# KiCad board OroLink.kicad_pcb (continued)
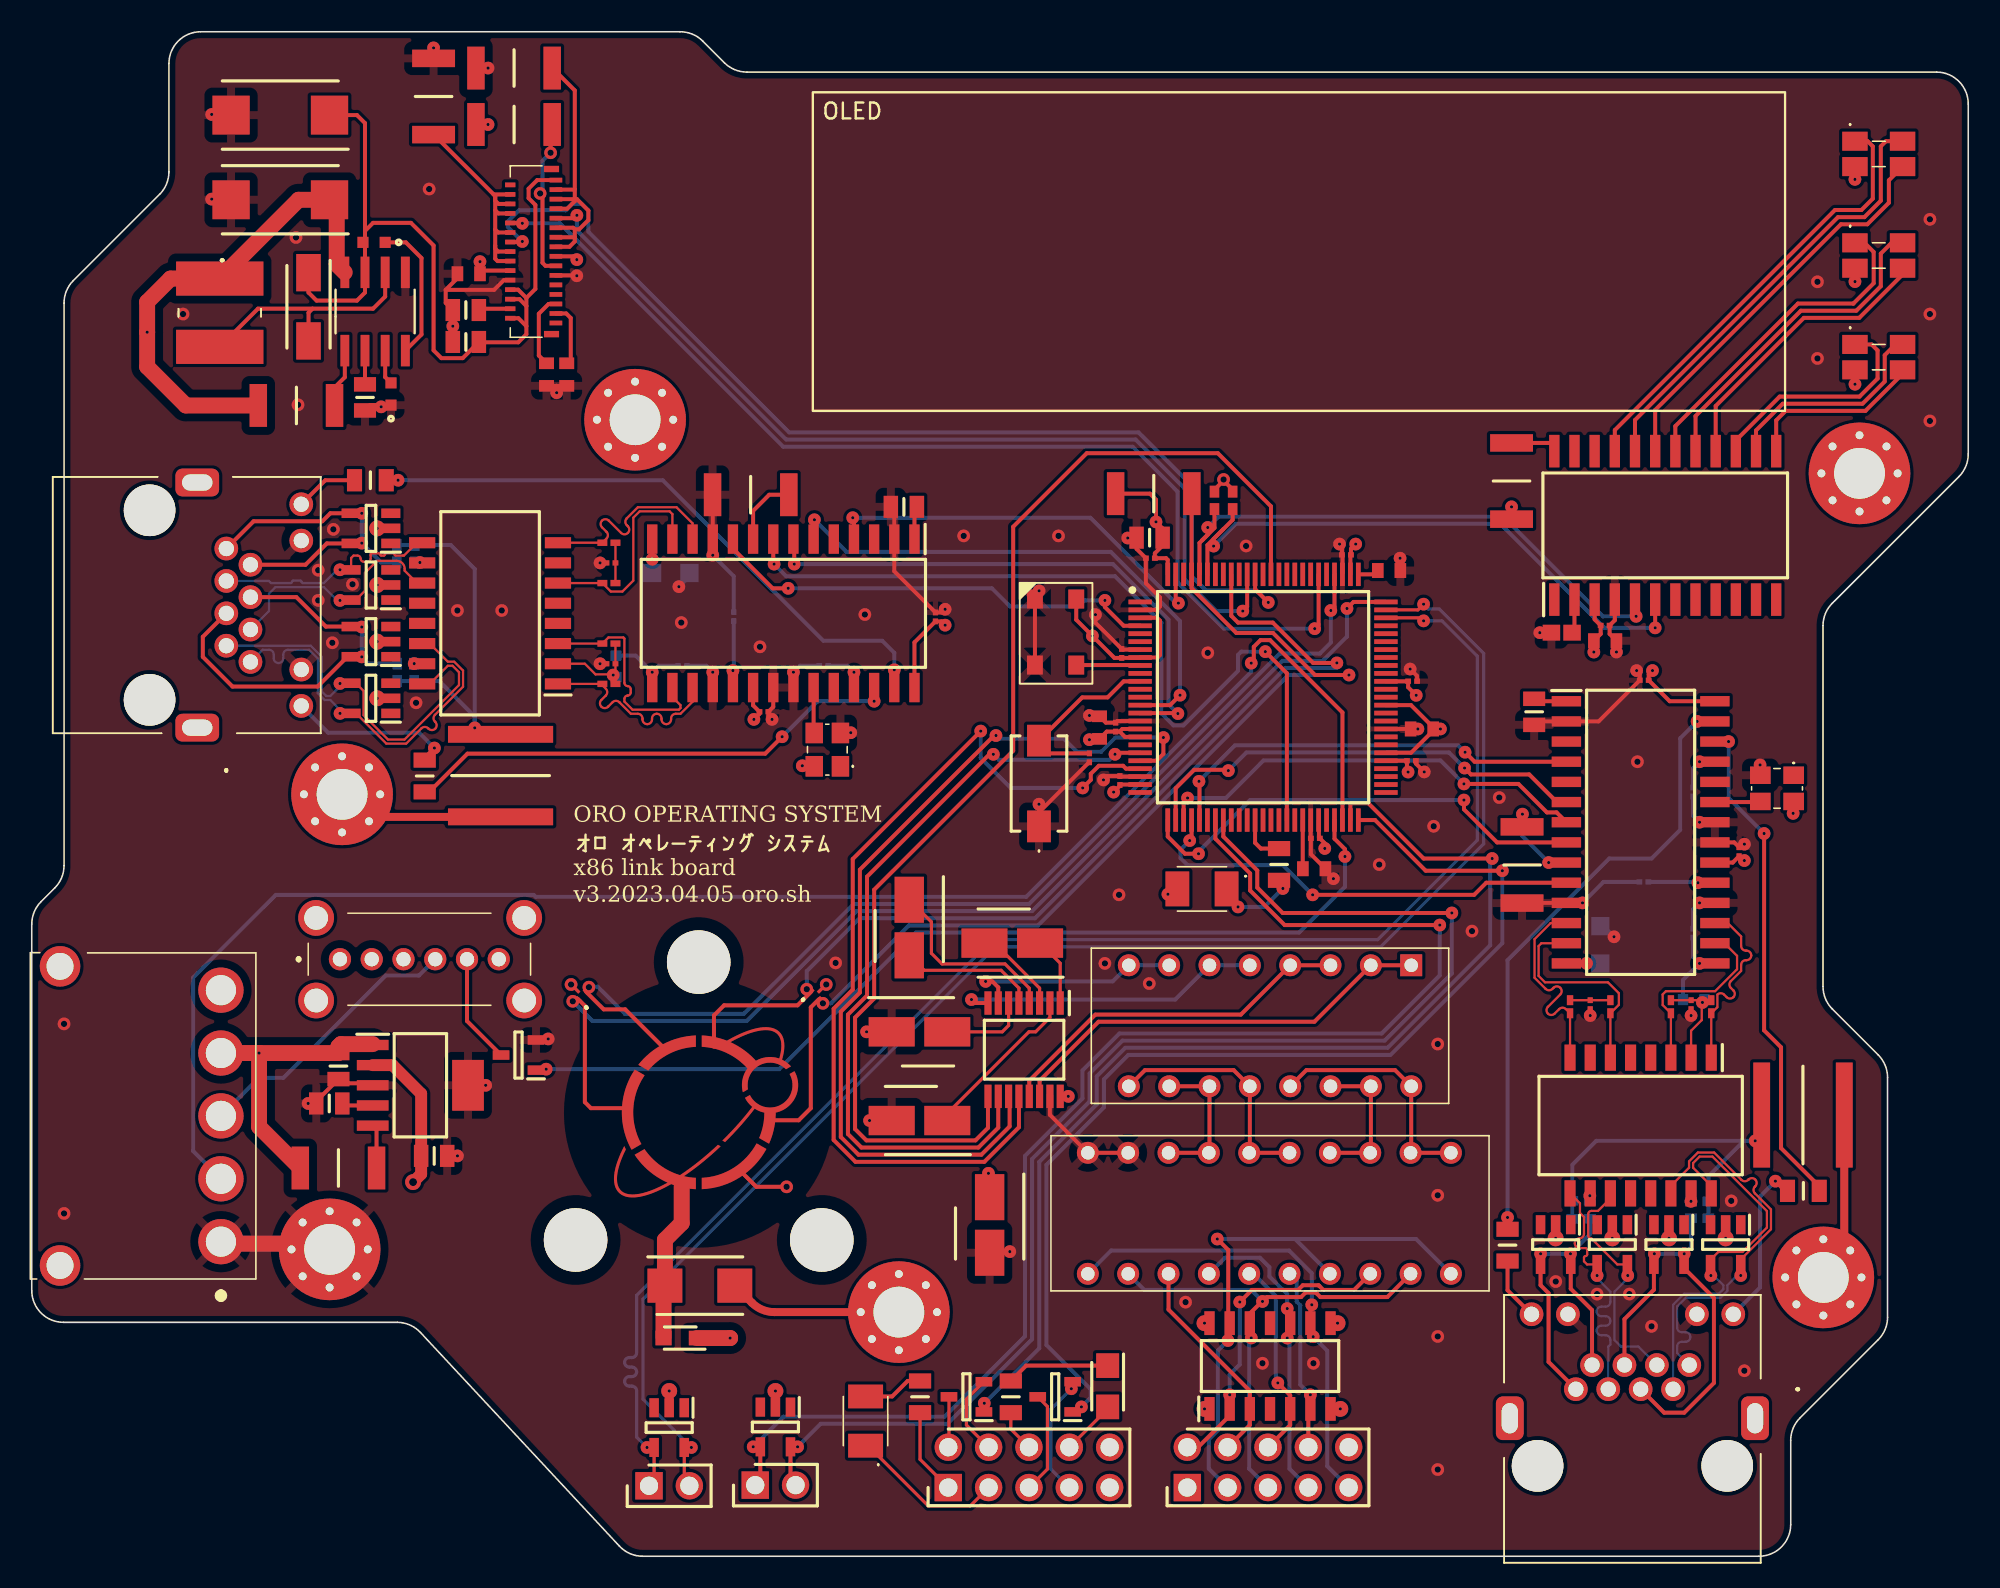
[diagram p0: board, top side]
## Library data of the parts (continued)
J3 = -: Description: AMP - TE CONNECTIVITY - 3-2328724-1 - CONNECTOR, FPC, R/A, 31POS, 1ROW, 0.3MM; Arrow Price/Stock: https://www.arrow.com/en/products/3-2328724-1/te-connectivity?region=nac; Height: 1.1; Manufacturer_Name: TE Connectivity; Mouser Part Number: 571-3-2328724-1; Mouser Price/Stock: https://www.mouser.co.uk/ProductDetail/TE-Connectivity/3-2328724-1?qs=w%2Fv1CP2dgqp0EQ60RbjzYQ%3D%3D
J4 J5 = -: Description: STEWART CONNECTOR - SS-60300-103 - 10G SINGLE PORT HORIZONTAL JACK, WITH BI-COLOR (G/Y, G/Y) LEDS 42AH9237; Arrow Price/Stock: https://www.arrow.com/en/products/ss-60300-103/bel-group?region=nac; Height: 12.65; Manufacturer_Name: BelFuse; Mouser Part Number: 530-SS-60300-103; Mouser Price/Stock: https://www.mouser.co.uk/ProductDetail/Stewart-Connector-Bel/SS-60300-103?qs=wnTfsH77Xs4F0oaICJGh5g%3D%3D; Note: TO EXT
J6 = -: Description: Oro Logo Connector 6 position; Sim.Enable: 0
J7 J8 = -: Description: EconoStik 2.54mm, Board to Board Connector, Unshrouded Verticl Header, Through Hole, Single Row, 2 Positions, 2.54 mm (0.100in) Pitch.; Height: 10.82; Manufacturer_Name: Amphenol Communication Solutions; Mouser Part Number: 649-1012937890203BLF; Mouser Price/Stock: https://www.mouser.co.uk/ProductDetail/Amphenol-FCI/10129378-902003BLF?qs=0lQeLiL1qyZU%252BgRaQ8FKPg%3D%3D
J9 = -: Description: BergStik, Board to Board connector, Unshrouded vertical header, Through Hole, Double Row, 10 Positions, 2.54 mm (0.100in) Pitch; Arrow Price/Stock: https://www.arrow.com/en/products/67996-110hlf/amphenol-fci?region=nac; Height: 8.58; Manufacturer_Name: Amphenol Communications Solutions; Mouser Part Number: 649-67996-110HLF; Mouser Price/Stock: https://www.mouser.co.uk/ProductDetail/Amphenol-FCI/67996-110HLF?qs=zh4O8xspOuxgf2RA9jR3ZQ%3D%3D; Note: 2x5 TO COM BUS
LED1 = -: Description: LED Uni-Color Violet 2-Pin SMD T/R; Arrow Price/Stock: https://www.arrow.com/en/products/aa3528vrvfsa/kingbright?region=nac; Height: 2.1; Manufacturer_Name: Kingbright; Mouser Part Number: 604-AA3528VRVFS/A; Mouser Price/Stock: https://www.mouser.co.uk/ProductDetail/Kingbright/AA3528VRVFS-A?qs=rY7msk5yxfb63mh907EyRA%3D%3D; Note: DEBUG LED
LED2 = -: Description: LED Uni-Color Violet 2-Pin SMD T/R; Arrow Price/Stock: https://www.arrow.com/en/products/aa3528vrvfsa/kingbright?region=nac; Height: 2.1; Manufacturer_Name: Kingbright; Mouser Part Number: 604-AA3528VRVFS/A; Mouser Price/Stock: https://www.mouser.co.uk/ProductDetail/Kingbright/AA3528VRVFS-A?qs=rY7msk5yxfb63mh907EyRA%3D%3D; Note: SYS PW ON FROM BUS
LED3 = -: Description: Cree CLM3C-WKW-CXAYA453, CLM3 Series White LED, 5500K, PLCC 2, Rectangle Lens SMD Package; Arrow Price/Stock: https://www.arrow.com/en/products/clm3c-wkw-cxaya453/cree; Height: 1.4; Manufacturer_Name: Wolfspeed; Mouser Part Number: 941-CLM3CWKWCXAYA453; Mouser Price/Stock: https://www.mouser.co.uk/ProductDetail/Cree-Inc/CLM3C-WKW-CXaYa453?qs=3AcK5DacLbr3ewaPKwAgNg%3D%3D; Note: SYS HDD ACT FROM BUS
LED4 = -: Description: Standard LEDs - SMD WL-SFCW SMT Full-color Chip LED waterclear 1206 RGB; Height: 0.85; Manufacturer_Name: Wurth Elektronik; Mouser Part Number: 710-150120M173000; Mouser Price/Stock: https://www.mouser.co.uk/ProductDetail/Wurth-Elektronik/150120M173000?qs=GedFDFLaBXG2uqjQCP7dEg%3D%3D; Note: STATUS
LED5 = -: Description: Standard LEDs - SMD WL-SFCW SMT Full-color Chip LED waterclear 1206 RGB; Height: 0.85; Manufacturer_Name: Wurth Elektronik; Mouser Part Number: 710-150120M173000; Mouser Price/Stock: https://www.mouser.co.uk/ProductDetail/Wurth-Elektronik/150120M173000?qs=GedFDFLaBXG2uqjQCP7dEg%3D%3D; Note: LINK
LED6 = -: Description: Standard LEDs - SMD WL-SFCW SMT Full-color Chip LED waterclear 1206 RGB; Height: 0.85; Manufacturer_Name: Wurth Elektronik; Mouser Part Number: 710-150120M173000; Mouser Price/Stock: https://www.mouser.co.uk/ProductDetail/Wurth-Elektronik/150120M173000?qs=GedFDFLaBXG2uqjQCP7dEg%3D%3D; Note: ACT
Q1-Q3 = -: Description: 12V, N ch NexFET MOSFET, single LGA0.6x0.7, 76mOhm; Arrow Price/Stock: https://www.arrow.com/en/products/pmv20enr/nexperia?region=nac; Height: 1.1; Manufacturer_Name: Nexperia; Mouser Part Number: 771-PMV20ENR; Mouser Price/Stock: https://www.mouser.co.uk/ProductDetail/Nexperia/PMV20ENR?qs=sV%252BQJnSpgu%2FSnnW%252BQ4V7GA%3D%3D
R1 R2 = -: Description: YAGEO - RC2512FK-074K7L - SMD Chip Resistor, 2512 [6432 Metric], 4.7 kohm, RC Series, 200 V, Thick Film, 1 W; Arrow Part Number: RC2512FK-074K7L; Arrow Price/Stock: https://www.arrow.com/en/products/rc2512fk-074k7l/yageo?region=nac; Height: 0.4; Manufacturer_Name: MULTICOMP; Manufacturer_Part_Number: MCWR04X4701FTL; Mouser Part Number: 603-RC2512FK-074K7L; Mouser Price/Stock: https://www.mouser.co.uk/ProductDetail/YAGEO/RC2512FK-074K7L?qs=WeK9NnMzqvc8ESUIkdEI3A%3D%3D
R3 R5 R8-R12 R24 R37 = -: Description: Res Thick Film 2010 10K Ohm 5% 0.75W(3/4W) +/-100ppm/C Pad SMD T/R; Arrow Part Number: RC2010JK-0710KL; Arrow Price/Stock: https://www.arrow.com/en/products/rc2010jk-0710kl/yageo; Height: 0.65; Manufacturer_Name: KEMET; Manufacturer_Part_Number: RC2010JK-0710KL; Mouser Part Number: 603-RC2010JK-0710KL; Mouser Price/Stock: https://www.mouser.co.uk/ProductDetail/YAGEO/RC2010JK-0710KL?qs=sNpmnPgvziOLj5uuquGIow%3D%3D
R4 R6 R7 = -: Description: Thick Film Resistors - SMD 0.25W 1Kohm 5% 200ppm Anti-Pulse; Height: 0.6; Manufacturer_Name: KOA Speer; Manufacturer_Part_Number: SG73P2ATTD102J; Mouser Part Number: 660-SG73P2ATTD102J; Mouser Price/Stock: https://www.mouser.com/Search/Refine.aspx?Keyword=660-SG73P2ATTD102J
R13 R25 = -: Description: Thick Film Resistors - SMD 0805 2.32Kohms 0.5W 1% AEC-Q200; Height: 0.7; Manufacturer_Name: Panasonic; Manufacturer_Part_Number: ERJ-P06F2321V; Mouser Part Number: 667-ERJ-P06F2321V; Mouser Price/Stock: https://www.mouser.com/Search/Refine.aspx?Keyword=667-ERJ-P06F2321V
R14-R17 R26-R29 = -: Description: RES, 0201, 49.9 ohm, 1%, 0.05W; Arrow Price/Stock: https://www.arrow.com/en/products/rc1210fr-0749r9l/yageo; Height: 0.26; Manufacturer_Name: Stackpole Electronics, Inc.; Manufacturer_Part_Number: RMCF0201FT49R9; Mouser Part Number: 603-RC1210FR-0749R9L; Mouser Price/Stock: https://www.mouser.co.uk/ProductDetail/YAGEO/RC1210FR-0749R9L?qs=H6bTqIa4pvVoqBKMaWCr4A%3D%3D
R18-R21 R30-R33 = -: Description: Thick Film Resistors - SMD 1/16watts 75ohms 1%; Height: 0.4; Manufacturer_Name: KOA Speer; Manufacturer_Part_Number: RK73H1ETTP75R0F; Mouser Part Number: 660-RK73H1ETTP75R0F; Mouser Price/Stock: https://www.mouser.co.uk/ProductDetail/KOA-Speer/RK73H1ETTP75R0F?qs=wUWquvs7oCIcRElcVFlmog%3D%3D
R22 R23 R34 R35 = -: Description: 470 Ohms +/-1% 0.125W, 1/8W Chip Resistor 0805 (2012 Metric) Automotive AEC-Q200, Moisture Resistant Thick Film; Height: 0.6; Manufacturer_Name: YAGEO; Manufacturer_Part_Number: AC0805FR-07470RL
R36 = -: Description: Thick Film Resistors - SMD 3.3K OHM 5%; Height: 0.55; Manufacturer_Name: KEMET; Manufacturer_Part_Number: RC0603JR-133K3L; Mouser Part Number: 603-RC0603JR-133K3L; Mouser Price/Stock: https://www.mouser.co.uk/ProductDetail/Yageo/RC0603JR-133K3L?qs=fRxXYNj8ftGLt5CkiYcPWw%3D%3D
S1 = -: Description: Tactile Switch SPST-NO Top Actuated Surface Mount; Height: 4.3; Manufacturer_Name: E-Switch; Mouser Part Number: 612-TL6400AF160QJ; Mouser Price/Stock: https://www.mouser.co.uk/ProductDetail/E-Switch/TL6400AF160QJ?qs=t7xnP681wgXh9NC1jPxNOA%3D%3D; Note: RESET
S2 = -: Description: Slide Switches SLIDE SWITCH INSTRUMNTATN; Arrow Price/Stock: https://www.arrow.com/en/products/mss225004/te-connectivity?region=nac; Height: 21.1; Manufacturer_Name: TE Connectivity; Mouser Part Number: 506-MSS225004; Mouser Price/Stock: https://www.mouser.co.uk/ProductDetail/TE-Connectivity-Alcoswitch/MSS225004?qs=M5Ic86%252BuP8YpwAcDgjVTdA%3D%3D
S3 = -: Description: 4 Way Through Hole DIP Switch Single Pole Double Throw (SPDT), Standard Actuator; Height: 8.49; Manufacturer_Name: CTS; Mouser Part Number: 774-206124; Mouser Price/Stock: https://www.mouser.co.uk/ProductDetail/CTS-Electronic-Components/206-124?qs=YquLqel%252BdSwQ37OnMfpodQ%3D%3D
S4 = -: Description: DIP Switches / SIP Switches 5 switch sections SPDT; Arrow Price/Stock: https://www.arrow.com/en/products/206-125/cts; Height: 8.87; Manufacturer_Name: CTS; Mouser Part Number: 774-206125; Mouser Price/Stock: https://www.mouser.co.uk/ProductDetail/CTS-Electronic-Components/206-125?qs=Mr%252BgrRYddfptY1Bh6kboww%3D%3D
T1 T2 = -: Description: Telecom Transformer 1CT:1CT 0.6Ohm Prim. DCR 1.1Ohm -1.15dB Surface Mount - Tape and Reel PT61017XPEL LAN 10/100 Base-Tx; Arrow Price/Stock: https://www.arrow.com/en/products/pt61017xpel/bourns?region=nac; Height: 5.7; Manufacturer_Name: Bourns; Mouser Part Number: 652-PT61017XPEL; Mouser Price/Stock: https://www.mouser.co.uk/ProductDetail/Bourns/PT61017XPEL?qs=y02iAgv9n61CWKPJbJQxRQ%3D%3D
X1 = -: Description: Standard Clock Oscillators 26MHz 3.3Volt .28ppm -40C +85C; Manufacturer_Name: TXC Corporation; Mouser Part Number: 717-7P-26.000MBP-T; Mouser Price/Stock: https://www.mouser.de/ProductDetail/TXC-Corporation/7P-26.000MBP-T
Y1 Y2 = -: Description: ASE-25.000MHZ-LC-T Crystal Oscillator, 25 MHz, +/-50ppm CMOS 15pF, 4-Pin SMD, 3.2 x 2.5 x 1.2mm; Arrow Part Number: ASE-25.000MHZ-LC-T; Arrow Price/Stock: https://www.arrow.com/en/products/ase-25.000mhz-lc-t/abracon; Height: 1; Manufacturer_Name: ABRACON; Manufacturer_Part_Number: ASE-25.000MHZ-LC-T; Mouser Part Number: 815-ASE25.000MHZLCT; Mouser Price/Stock: https://www.mouser.co.uk/ProductDetail/ABRACON/ASE-25.000MHZ-LC-T?qs=ShQ8XZQtgRuW6p4KtHOZPQ%3D%3D

## Footprints (pads in the part's own frame, mm; a bottom-side part is the same pattern mirrored in y, then rotated)
7P-26.000MBP-T
  rrect 1.2x1 smd: 1(1.016,-3.616)
  rect 1.2x1 smd: 3(5.176,-3.616) 4(5.176,-1.016) 6(1.016,-1.016)
150120M173000
  rect 1.6x1.2 smd: 1(-1.5,0.8) 2(-1.5,-0.8) 3(1.5,-0.8) 4(1.5,0.8)
206124
  rect 1.381x1.381 hole 0.85: 1(0,0)
  round 1.381 hole 0.85: 2(2.54,0) 3(5.08,0) 4(7.62,0) 5(10.16,0) 6(12.7,0) 7(15.24,0) 8(17.78,0) 9(17.78,7.62) 10(15.24,7.62) 11(12.7,7.62) 12(10.16,7.62) 13(7.62,7.62) 14(5.08,7.62) 15(2.54,7.62) 16(0,7.62)
206125
  round 1.381 hole 0.85: A1(0,0) A2(0,-7.62) A3(2.54,-7.62) A4(2.54,0) B1(5.08,0) B2(5.08,-7.62) B3(7.62,-7.62) B4(7.62,0) C1(10.16,0) C2(10.16,-7.62) C3(12.7,-7.62) C4(12.7,0) D1(15.24,0) D2(15.24,-7.62) D3(17.78,-7.62) D4(17.78,0) E1(20.32,0) E2(20.32,-7.62) E3(22.86,-7.62) E4(22.86,0)
323287241
  rect 0.3x0.8 smd: 1(-4.5,-1.4) 3(-3.9,-1.4) 5(-3.3,-1.4) 7(-2.7,-1.4) 9(-2.1,-1.4) 11(-1.5,-1.4) 13(-0.9,-1.4) 15(-0.3,-1.4) 17(0.3,-1.4) 19(0.9,-1.4) 21(1.5,-1.4) 23(2.1,-1.4) 25(2.7,-1.4) 27(3.3,-1.4) 29(3.9,-1.4) 31(4.5,-1.4)
  rect 0.3x0.65 smd: 2(-4.2,1.475) 4(-3.6,1.475) 6(-3,1.475) 8(-2.4,1.475) 10(-1.8,1.475) 12(-1.2,1.475) 14(-0.6,1.475) 16(0,1.475) 18(0.6,1.475) 20(1.2,1.475) 22(1.8,1.475) 24(2.4,1.475) 26(3,1.475) 28(3.6,1.475) 30(4.2,1.475)
  rect 0.4x0.95 smd: MP1(-5.2,-1.125) MP2(5.2,-1.125)
AA3528VRVFSA
  rect 1.5x2.2 smd: 1(-1.55,0) 2(1.55,0)
ASE24576MHZLCT
  rect 1.3x1.1 smd: 1(-1.05,-0.825) 2(1.05,-0.825) 3(1.05,0.825) 4(-1.05,0.825)
BLM18EG121SH1D
  rect 0.65x0.7 smd: 1(-0.675,0) 2(0.675,0)
C1608_Commercial_Tight
  rect 0.7x0.7 smd: 1(0.6,-0.75) 2(2,-0.75)
CAPAE430X610N
  rect 2.9x1.85 smd: 1(-1.75,0) 2(1.75,0)
CAPC0402X22N
  rect 0.365x0.33 smd: 1(-0.282,0) 2(0.282,0)
CAPC1608X90N
  rect 0.73x0.94 smd: 1(-0.71,0) 2(0.71,0)
CAPC2012X75N
  rect 0.91x1.39 smd: 1(-0.82,0) 2(0.82,0)
CAPC2012X135N
  rect 0.91x1.39 smd: 1(-0.82,0) 2(0.82,0)
CAPC5664X270N
  rect 1.06x6.62 smd: 1(-2.6,0) 2(2.6,0)
CAPPM7343X310N
  rect 2.35x2.45 smd: 1(-3.1,0) 2(3.1,0)
CD54NP180MC
  rect 5.5x2.15 smd: 1(0,-2.15) 2(0,2.15)
CLM3CWKWCXAYA453
  rect 1.55x1.45 smd: 1(-1.3,0) 2(1.3,0)
DF635P396DS
  round 2.85 hole 1.9: 1(0,0) 2(3.96,0) 3(7.92,0) 4(11.88,0) 5(15.84,0)
  round 2.55 hole 1.7: MH1(-1.5,10.13) MH2(17.34,10.13)
DIOM5227X250N
  rect 2.35x1.55 smd: 1(-2.15,0) 2(2.15,0)
DIOM5436X244N
  rect 2.2x2.15 smd: 1(-2.2,0) 2(2.2,0)
ERJP06__0805_
  rect 1.15x1.15 smd: 1(-1.175,0) 2(1.175,0)
HDRV2W67P0X254_1X2_508X241X1082P
  rect 1.725x1.725 hole 1.15: 1(0,0)
  round 1.725 hole 1.15: 2(2.54,0)
HDRV10W67P254_2X5_1270X483X858P
  rect 1.725x1.725 hole 1.15: 1(0,0)
  round 1.725 hole 1.15: 2(0,2.54) 3(2.54,0) 4(2.54,2.54) 5(5.08,0) 6(5.08,2.54) 7(7.62,0) 8(7.62,2.54) 9(10.16,0) 10(10.16,2.54)
MountingHole_3.2mm_M3_Pad_Via
  round 0.8 hole 0.5: 1(-2.4,0) 1(-1.697,1.697) 1(-1.697,-1.697) 1(0,2.4) 1(0,-2.4) 1(1.697,1.697) 1(1.697,-1.697) 1(2.4,0)
  round 6.4 hole 3.2: 1(0,0)
MSS225004
  round 1.4 hole 0.9: 1(0,0) 2(2,0) 3(4,0) 4(6,0) 5(8,0) 6(10,0)
  round 2.25 hole 1.5: MH1(-1.5,2.6) MH2(11.6,2.6) MH3(-1.5,-2.6) MH4(11.6,-2.6)
OroConn6p_WithMounts
  round 4 hole 4 unplated: (-7.75,-8) (0,9.5) (7.75,-8)
  custom 0.5x1.31 smd: 1(-1.107,-4.298) 4(1.015,4.408)
  custom 1.31x1.31 smd: 2(2.5,-3.6) 5(-2.1,4)
  custom 1.31x0.5 smd: 3(4.4,-0.5) 6(-4.5,0.3)
QFP50P1600X1600X160-100N
  rect 1.475x0.3 smd: 1(-7.738,6) 2(-7.738,5.5) 3(-7.738,5) 4(-7.738,4.5) 5(-7.738,4) 6(-7.738,3.5) 7(-7.738,3) 8(-7.738,2.5) 9(-7.738,2) 10(-7.738,1.5) 11(-7.738,1) 12(-7.738,0.5) 13(-7.738,0) 14(-7.738,-0.5) 15(-7.738,-1) 16(-7.738,-1.5) 17(-7.738,-2) 18(-7.738,-2.5) 19(-7.738,-3) 20(-7.738,-3.5) 21(-7.738,-4) 22(-7.738,-4.5) 23(-7.738,-5) 24(-7.738,-5.5) 25(-7.738,-6) 51(7.738,-6) 52(7.738,-5.5) 53(7.738,-5) 54(7.738,-4.5) 55(7.738,-4) 56(7.738,-3.5) 57(7.738,-3) 58(7.738,-2.5) 59(7.738,-2) 60(7.738,-1.5) 61(7.738,-1) 62(7.738,-0.5) 63(7.738,0) 64(7.738,0.5) 65(7.738,1) 66(7.738,1.5) 67(7.738,2) 68(7.738,2.5) 69(7.738,3) 70(7.738,3.5) 71(7.738,4) 72(7.738,4.5) 73(7.738,5) 74(7.738,5.5) 75(7.738,6)
  rect 0.3x1.475 smd: 26(-6,-7.738) 27(-5.5,-7.738) 28(-5,-7.738) 29(-4.5,-7.738) 30(-4,-7.738) 31(-3.5,-7.738) 32(-3,-7.738) 33(-2.5,-7.738) 34(-2,-7.738) 35(-1.5,-7.738) 36(-1,-7.738) 37(-0.5,-7.738) 38(0,-7.738) 39(0.5,-7.738) 40(1,-7.738) 41(1.5,-7.738) 42(2,-7.738) 43(2.5,-7.738) 44(3,-7.738) 45(3.5,-7.738) 46(4,-7.738) 47(4.5,-7.738) 48(5,-7.738) 49(5.5,-7.738) 50(6,-7.738) 76(6,7.738) 77(5.5,7.738) 78(5,7.738) 79(4.5,7.738) 80(4,7.738) 81(3.5,7.738) 82(3,7.738) 83(2.5,7.738) 84(2,7.738) 85(1.5,7.738) 86(1,7.738) 87(0.5,7.738) 88(0,7.738) 89(-0.5,7.738) 90(-1,7.738) 91(-1.5,7.738) 92(-2,7.738) 93(-2.5,7.738) 94(-3,7.738) 95(-3.5,7.738) 96(-4,7.738) 97(-4.5,7.738) 98(-5,7.738) 99(-5.5,7.738) 100(-6,7.738)
RCLAMP3552TTNT
  rect 0.2x0.4 smd: 1(-0.34,-0.225) 2(0.34,-0.225) 3(0,0.225)
RESC0603X26N
  rect 0.625x0.4 smd: 1(-0.412,0) 2(0.412,0)
RESC1005X40N
  rect 0.75x0.6 smd: 1(-0.55,0) 2(0.55,0)
RESC1608X55N
  rect 1.1x1 smd: 1(-0.65,0) 2(0.65,0)
RESC2012X60N
  rect 0.95x1.4 smd: 1(-1,0) 2(1,0)
RESC5025X65N
  rect 1.1x2.7 smd: 1(-2.4,0) 2(2.4,0)
SODFL2514X80N
  rect 1.02x0.92 smd: 1(-1.05,0) 2(1.05,0)
SOIC127P600X175-8N
  rect 1.981x0.559 smd: 1(-2.464,1.905) 2(-2.464,0.635) 3(-2.464,-0.635) 4(-2.464,-1.905) 5(2.464,-1.905) 6(2.464,-0.635) 7(2.464,0.635) 8(2.464,1.905)
SOIC127P600X175-14N
  rect 1.5x0.65 smd: 1(-2.7,3.81) 2(-2.7,2.54) 3(-2.7,1.27) 4(-2.7,0) 5(-2.7,-1.27) 6(-2.7,-2.54) 7(-2.7,-3.81) 8(2.7,-3.81) 9(2.7,-2.54) 10(2.7,-1.27) 11(2.7,0) 12(2.7,1.27) 13(2.7,2.54) 14(2.7,3.81)
SOIC127P930X570-16N
  rect 1.65x0.7 smd: 1(-4.275,4.445) 2(-4.275,3.175) 3(-4.275,1.905) 4(-4.275,0.635) 5(-4.275,-0.635) 6(-4.275,-1.905) 7(-4.275,-3.175) 8(-4.275,-4.445) 9(4.275,-4.445) 10(4.275,-3.175) 11(4.275,-1.905) 12(4.275,-0.635) 13(4.275,0.635) 14(4.275,1.905) 15(4.275,3.175) 16(4.275,4.445)
SOIC127P1030X265-28N
  rect 1.85x0.65 smd: 1(-4.675,8.255) 2(-4.675,6.985) 3(-4.675,5.715) 4(-4.675,4.445) 5(-4.675,3.175) 6(-4.675,1.905) 7(-4.675,0.635) 8(-4.675,-0.635) 9(-4.675,-1.905) 10(-4.675,-3.175) 11(-4.675,-4.445) 12(-4.675,-5.715) 13(-4.675,-6.985) 14(-4.675,-8.255) 15(4.675,-8.255) 16(4.675,-6.985) 17(4.675,-5.715) 18(4.675,-4.445) 19(4.675,-3.175) 20(4.675,-1.905) 21(4.675,-0.635) 22(4.675,0.635) 23(4.675,1.905) 24(4.675,3.175) 25(4.675,4.445) 26(4.675,5.715) 27(4.675,6.985) 28(4.675,8.255)
SOIC127P1036X265-24N
  rect 2.05x0.65 smd: 1(-4.675,6.985) 2(-4.675,5.715) 3(-4.675,4.445) 4(-4.675,3.175) 5(-4.675,1.905) 6(-4.675,0.635) 7(-4.675,-0.635) 8(-4.675,-1.905) 9(-4.675,-3.175) 10(-4.675,-4.445) 11(-4.675,-5.715) 12(-4.675,-6.985) 13(4.675,-6.985) 14(4.675,-5.715) 15(4.675,-4.445) 16(4.675,-3.175) 17(4.675,-1.905) 18(4.675,-0.635) 19(4.675,0.635) 20(4.675,1.905) 21(4.675,3.175) 22(4.675,4.445) 23(4.675,5.715) 24(4.675,6.985)
SOP65P640X120-16N
  rect 1.475x0.45 smd: 1(-2.938,2.275) 2(-2.938,1.625) 3(-2.938,0.975) 4(-2.938,0.325) 5(-2.938,-0.325) 6(-2.938,-0.975) 7(-2.938,-1.625) 8(-2.938,-2.275) 9(2.938,-2.275) 10(2.938,-1.625) 11(2.938,-0.975) 12(2.938,-0.325) 13(2.938,0.325) 14(2.938,0.975) 15(2.938,1.625) 16(2.938,2.275)
SOT95P230X110-3N
  rect 1.05x0.6 smd: 1(-1.1,0.95) 2(-1.1,-0.95) 3(1.1,0)
SOT95P280X145-5N
  rect 1.2x0.6 smd: 1(-1.25,0.95) 2(-1.25,0) 3(-1.25,-0.95) 4(1.25,-0.95) 5(1.25,0.95)
SOT127P706X180-6N
  rect 2x0.65 smd: 1(-3,2.54) 2(-3,1.27) 3(-3,0) 4(-3,-1.27) 5(-3,-2.54)
  rect 2x3.2 smd: 6(3,0)
SS60300103
  round 3.25 hole 3.25 unplated: (-8.53,-4.83) (3.41,-4.83)
  round 1.493 hole 0.96: 1(0,0) 2(1.02,1.52) 3(-1.02,1.52) 4(-3.06,1.52) 5(-2.04,0) 6(-4.08,0) 7(-6.12,0) 8(-5.1,1.52) 9(-8.91,4.72) 10(-6.62,4.72) 11(1.5,4.72) 12(3.79,4.72)
  rrect 1.75x2.75 hole 1.02x1.91: MH1(-10.28,-1.83) MH2(5.16,-1.83)
TL6400AF160QJ
  rect 2x1.5 smd: 1(-2.7,0) 2(2.7,0)

## Nets
+3V3: C2.1 C5.2 C6.2 C7.2 C8.2 C9.2 C10.2 C11.2 C12.1 C13.2 C14.2 C17.2 C21.2 C32.1 C33.1 C34.1 C35.1 C36.1 C41.1 C42.1 C43.1 C44.1 C45.1 C49.1 C51.1 C52.2 FB2.1 FB3.1 IC1.3 IC1.8 IC1.17 IC1.18 IC1.24 IC1.45 IC1.55 IC1.56 IC1.62 IC1.65 IC1.77 IC1.100 IC2.2 IC4.15 IC4.19 IC4.20 IC4.25 IC4.28 IC5.15 IC5.19 IC5.20 IC5.25 IC5.28 IC6.16 IC7.3 J3.12 J3.15 LED1.2 LED4.2 LED5.2 LED6.2 R1.1 R2.1 R3.1 R9.2 R37.1 X1.6 Y1.4 Y2.4
+5V: C15.1 C26.1 D10.1 FB1.1 IC2.1 IC3.8 J1.4 R5.1 R11.2 S2.1
/OLED Socket/+12V: C20.1 C25.2 C27.1 D1.1 IC3.7 J3.2 J3.6 J3.8 J3.31
/Power Supply/5VSB: J1.5 S2.2
/SWD Pad/VCC: D10.2 D12.1 J6.1
GND: C1.2 C2.2 C3.2 C4.2 C5.1 C6.1 C7.1 C8.1 C9.1 C10.1 C11.1 C12.2 C13.1 C14.1 C15.2 C16.1 C17.1 C18.1 C19.1 C20.2 C21.1 C22.1 C23.1 C24.1 C26.2 C27.2 C28.1 C29.2 C30.2 C32.2 C33.2 C34.2 C35.2 C36.2 C37.1 C38.2 C39.2 C41.2 C42.2 C43.2 C44.2 C45.2 C48.2 C49.2 C50.1 C51.2 C52.1 H6.1 IC1.2 IC1.7 IC1.16 IC1.23 IC1.44 IC1.59 IC1.78 IC2.3 IC2.6 IC3.5 IC4.2 IC4.11 IC4.18 IC4.21 IC4.22 IC5.2 IC5.11 IC5.18 IC5.21 IC5.22 IC6.15 IC7.4 J1.1 J3.10 J3.11 J4.10 J4.11 J5.10 J5.11 J6.2 Q1.2 R8.1 R10.1 R12.1 R13.2 R24.1 R25.2 R36.1 S1.1 S4.E2 S4.E3 X1.1 X1.3 Y1.2 Y2.2
GNDPWR: C31.1 C40.1 D2.2 D3.2 D4.2 D5.2 D6.2 D7.2 D8.2 D9.2 D11.3 D12.2 D13.3 D14.2 D15.2 D16.1 D16.7 D16.8 D16.14 H1.1 H2.1 H3.1 H4.1 H5.1 J1.MH1 J1.MH2 J4.MH1 J4.MH2 J5.MH1 J5.MH2 S2.MH1 S2.MH2 S2.MH3 S2.MH4
/COM Bus Header/C1+: C46.1 IC6.1
/COM Bus Header/C1-: C46.2 IC6.3
/COM Bus Header/C2+: C47.1 IC6.4
/COM Bus Header/C2-: C47.2 IC6.5
/COM Bus Header/D_CTS: S3.9 S3.12 S4.C2 S4.C3
/COM Bus Header/D_RTS: S3.10 S3.11 S4.D2 S4.D3
/COM Bus Header/D_RX: S3.14 S3.15 S4.B2 S4.B3
/COM Bus Header/D_TX: S3.13 S3.16 S4.A2 S4.A3
/COM Bus Header/P2: D16.2 J9.2 S4.B1
/COM Bus Header/P3: D16.13 J9.3 S4.A1 S4.B4
/COM Bus Header/P4: D16.3 J9.4 S4.D4
/COM Bus Header/P5: D16.12 J9.5 S4.A4 S4.E1
/COM Bus Header/P6: D16.5 J9.6 S4.C4
/COM Bus Header/P7: D16.10 J9.7 S4.D1
/COM Bus Header/P8: D16.6 J9.8 S4.C1
/COM Bus Header/P9: D16.9 J9.9 S4.E4
/COM Bus Header/UART_CTS: IC1.87 IC6.9
/COM Bus Header/UART_RTS: IC1.20 IC6.10
/COM Bus Header/UART_RX: IC1.22 IC6.12
/COM Bus Header/UART_TX: IC1.21 IC6.11
/COM Bus Header/V+: C48.1 IC6.2
/COM Bus Header/V-: C50.2 IC6.6
/External Ethernet/CT_45: D8.4 D8.5 J5.4 J5.5 R32.1
/External Ethernet/CT_78: D9.4 D9.5 J5.7 J5.8 R33.1
/External Ethernet/GLED+: IC5.27 R34.2
/External Ethernet/RX+: D7.5 J5.3 T2.11
/External Ethernet/RX-: D7.4 J5.6 T2.9
/External Ethernet/SCK: IC1.41 IC5.8
/External Ethernet/SDI: IC1.15 IC5.7
/External Ethernet/SDO: IC1.14 IC5.6
/External Ethernet/TPIN+: IC5.13 R28.1 T2.6
/External Ethernet/TPIN-: IC5.12 R29.1 T2.8
/External Ethernet/TPOUT+: IC5.17 R26.1 T2.1
/External Ethernet/TPOUT-: IC5.16 R27.1 T2.3
/External Ethernet/TX+: D6.4 J5.1 T2.16
/External Ethernet/TX-: D6.5 J5.2 T2.14
/External Ethernet/YLED+: IC5.26 R35.2
/External Ethernet/~{INT}: IC1.99 IC5.4
/External Ethernet/~{RST}: IC1.4 IC5.10
/Front Panel Client/HDD+: J2.6 R7.1
/Front Panel Client/HDD-: J2.8 LED3.2
/Front Panel Client/PLED+: J2.1 R6.2
/Front Panel Client/PLED-: J2.3 LED2.1
/Front Panel Client/PWR+: J2.5 Q2.3
/Front Panel Client/PWR-: J2.7 Q2.2
/Front Panel Client/PWR_ON: IC1.50 Q2.1
/Front Panel Client/RESET: IC1.49 Q3.1
/Front Panel Client/RST+: J2.2 Q3.3
/Front Panel Client/RST-: J2.4 Q3.2
/Indicator Lights/O1: IC7.7
/Indicator Lights/O2: IC7.8
/Indicator Lights/O3: IC7.9
/Indicator Lights/O4: IC7.10
/Indicator Lights/O5: IC7.11
/Indicator Lights/O6: IC7.12
/Indicator Lights/O7: IC7.13 LED6.3
/Indicator Lights/O8: IC7.14 LED6.4
/Indicator Lights/O9: IC7.15 LED6.1
/Indicator Lights/O10: IC7.16 LED5.3
/Indicator Lights/O11: IC7.17 LED5.4
/Indicator Lights/O12: IC7.18 LED5.1
/Indicator Lights/O13: IC7.19 LED4.3
/Indicator Lights/O14: IC7.20 LED4.4
/Indicator Lights/O15: IC7.21 LED4.1
/Indicator Lights/O16: IC7.22
/Indicator Lights/O17: IC7.23
/Indicator Lights/O18: IC7.1
/Indicator Lights/SCL: IC1.95 IC7.6 R1.2
/Indicator Lights/SDA: IC1.96 IC7.5 R2.2
/Microcontroller/DBGUART_RX: D14.4 IC1.32 J7.1
/Microcontroller/DBGUART_TX: D14.5 IC1.33 J7.2
/Microcontroller/SYSETH_MISO: IC1.27 IC4.6
/Microcontroller/SYSETH_SCK: IC1.26 IC4.8
/Microcontroller/SYSTEH_MOSI: IC1.28 IC4.7
/Microcontroller/SYSTEH_~{INT}: IC1.30 IC4.4
/Microcontroller/SYSTEH_~{RST}: IC1.29 IC4.10
/Microcontroller/USB_D+: D15.5 IC1.74 J8.2
/Microcontroller/USB_D-: D15.4 IC1.73 J8.1
/Microcontroller/VCAP1: C3.1 IC1.43
/Microcontroller/VCAP2: C4.1 IC1.76
/OLED Socket/EXTCAP: C18.2 J3.3
/OLED Socket/EXTCAP2: C22.2 J3.4
/OLED Socket/EXTCAP3: C19.2 J3.5
/OLED Socket/SCK: IC1.81 J3.22
/OLED Socket/SDI: IC1.90 J3.23
/OLED Socket/~{RST}: IC1.89 J3.18
/Power Supply/PSU_ON: J1.3 S2.4
/Power Supply/PW_OK: IC1.48 J1.2
/Power Supply/PW_ON: IC1.47 Q1.1
/SWD Pad/FLASH: D13.2 IC1.97 J6.3 R3.2
/SWD Pad/SWCLK: D11.2 IC1.79 J6.5
/SWD Pad/SWDIO: D11.1 IC1.75 J6.6
/SWD Pad/SWO: D13.1 IC1.92 J6.4
/System Ethernet/CT_45: D4.4 D4.5 J4.4 J4.5 R20.1
/System Ethernet/CT_78: D5.4 D5.5 J4.7 J4.8 R21.1
/System Ethernet/GLED+: IC4.27 R22.2
/System Ethernet/RX+: D3.5 J4.3 T1.11
/System Ethernet/RX-: D3.4 J4.6 T1.9
/System Ethernet/TPIN+: IC4.13 R16.1 T1.6
/System Ethernet/TPIN-: IC4.12 R17.1 T1.8
/System Ethernet/TPOUT+: IC4.17 R14.1 T1.1
/System Ethernet/TPOUT-: IC4.16 R15.1 T1.3
/System Ethernet/TX+: D2.4 J4.1 T1.16
/System Ethernet/TX-: D2.5 J4.2 T1.14
/System Ethernet/YLED+: IC4.26 R23.2
Net-(C29-Pad1): C29.1 R16.2 R17.2
Net-(C31-Pad2): C31.2 R18.2 R19.2 R20.2 R21.2
Net-(C38-Pad1): C38.1 R28.2 R29.2
Net-(C40-Pad2): C40.2 R30.2 R31.2 R32.2 R33.2
Net-(IC1-NRST): C1.1 IC1.11 S1.2
Net-(IC1-PE12): IC1.37 R4.1
Net-(IC1-PH0): IC1.9 X1.4
Net-(IC2-EN): IC2.5 R5.2
Net-(IC2-NR/FB): C16.2 IC2.4
Net-(IC3-COMP): C25.1 IC3.4
Net-(IC3-EN): IC3.1 R11.1
Net-(IC3-OUT): D1.2 FB1.2 IC3.6
Net-(IC3-REF): C23.2 IC3.2
Net-(IC3-SS): C24.2 IC3.3
Net-(IC4-OSC1): IC4.23 Y1.3
Net-(IC4-RBIAS): IC4.14 R13.1
Net-(IC4-VCAP): C28.2 IC4.1
Net-(IC4-~{CS}): IC4.9 R12.2
Net-(IC5-OSC1): IC5.23 Y2.3
Net-(IC5-RBIAS): IC5.14 R25.1
Net-(IC5-VCAP): C37.2 IC5.1
Net-(IC5-~{CS}): IC5.9 R24.2
Net-(IC6-DOUT1): IC6.14 S3.1 S3.2
Net-(IC6-DOUT2): IC6.7 S3.7 S3.8
Net-(IC6-RIN1): IC6.13 S3.3 S3.4
Net-(IC6-RIN2): IC6.8 S3.5 S3.6
Net-(IC7-R_EXT): IC7.2 R36.2
Net-(IC7-~{SDB}): IC7.24 R37.2
Net-(J3-Pad13): J3.13 R9.1
Net-(J3-Pad14): J3.14 J3.16 J3.20 J3.24 J3.26 J3.28 R10.2
Net-(J3-Pad17): J3.17 J3.19 J3.21 J3.25 J3.27 J3.29 R8.2
Net-(J4-ANODE_GREEN/CATHODE_YELLOW_1): J4.9 R22.1
Net-(J4-ANODE_YELLOW/CATHODE_GREEN_2): J4.12 R23.1
Net-(J5-ANODE_GREEN/CATHODE_YELLOW_1): J5.9 R34.1
Net-(J5-ANODE_YELLOW/CATHODE_GREEN_2): J5.12 R35.1
Net-(LED1-Pad1): LED1.1 R4.2
Net-(LED2-Pad2): LED2.2 R6.1
Net-(LED3-Pad1): LED3.1 R7.2
Net-(Q1-Pad3): S2.5
Net-(T1-CT_1): C30.1 FB2.2 R14.2 R15.2 T1.2
Net-(T1-CT_3): R18.1 T1.10
Net-(T1-CT_4): R19.1 T1.15
Net-(T2-CT_1): C39.1 FB3.2 R26.2 R27.2 T2.2
Net-(T2-CT_3): R30.1 T2.10
Net-(T2-CT_4): R31.1 T2.15

Pads without a net: D2 1 3; D3 1 3; D4 1 3; D5 1 3; D6 1 3; D7 1 3; D8 1 3; D9 1 3; D14 1 3; D15 1 3; D16 4 11; IC1 1 5 6 10 12 13 19 25 31 34 35 36 38 39 40 42 46 51 52 53 54 57 58 60 61 63 64 66 67 68 69 70 71 72 80 82 83 84 85 86 88 91 93 94 98; IC4 3 5 24; IC5 3 5 24; J2 9 10; J3 1 7 9 30 MP1 MP2; J9 1 10; Q1 3; S2 3 6; T1 4 5 7 12 13; T2 4 5 7 12 13; Y1 1; Y2 1

## Via types
v1: diameter 0.8, hole 0.2, Top to Bottom, 189 vias
v2: diameter 0.8, hole 0.4, Top to Bottom, 58 vias
v3: diameter 1, hole 0.5, Top to Bottom, 1 via
v4: diameter 1, hole 0.2, Top to Bottom, 17 vias

## Routing (per net, layer and track width the routed paths; a pad name or vN(x,y) marks a point on that pad's centre or on a via; arc(x,y) is an arc through that point)
+3V3: length 108.6
  Top w0.25: IC1.56 86.84,50.6 88.23,52 ; IC1.100 71.52,62.75 71.42,62.86 C5.2 70.71,63.17 71.2,63.66 ; C49.1 60.31,24.04 v1(60.23,24.12) ; 88.23,52.21 86.84,53.6 IC1.62 ; LED6.2 114.79,73.82 v1(114.79,73.81) ; C12.1 88.65,52.1 88.69,52.06 ; 44.15,54.71 v1(44.15,55.78) ; IC4.20 107.09,43.69 C36.1 107.55,44.09 v1(107.82,43.82) ; IC1.77 83.02,63.03 ; J3.15 34.11,81.87 v1(34.32,81.66) ; LED5.2 114.79,80.28 ; C6.2 83.06,63.45 v1(83.35,63.75) ; v1(39.07,55.68) IC5.15 ; IC6.16 v1(65.26,28.96) ; IC4.28 103.12,53.85 101.8,55.17 101.8,55.54 v1(102.04,55.78) ; IC1.3 70.85,59.1 71.03,58.92 71.03,56.76 70.88,56.6 IC1.8 ; IC5.28 55.58,57.56 C41.1 57.27,58.88 v1(57.51,58.64) ; 68.49,51.94 68.83,51.6 IC1.18 ; 68.49,51.94 68.66,52.1 IC1.17 ; 68.49,51.94 C13.2 67.68,51.94 C14.2 66.64,51.48 v1(66.59,51.43) ; v1(110.9,46.79) 110.93,46.82 Y1.4 ; 81.04,46.35 81.04,45.27 C9.2 81.41,44.9 v1(81.41,44.58) ; R37.1 v1(93.17,66.09) ; v1(105,50.04) IC4.25 ; X1.6 65.76,58.98 v1(66.78,57.96) 68.16,56.58 C7.2 69.76,56.58 ; C10.2 86.66,54.73 v1(87.16,54.22) ; LED4.2 v1(114.79,86.72) ; 68.54,48.6 IC1.24 ; IC7.3 98.4,59 C51.1 98.78,58.09 C52.2 98.35,56.95 v1(98.35,56.95) ; v1(86.65,49.39) 86.58,49.46 C11.2 IC1.55 ; v1(51.77,55.68) 51.77,54.71 ; C21.2 v1(28.22,81.53) ; IC5.20 45.42,53.59 C45.1 45.82,53.06 v1(45.47,52.71) ; v1(48.51,49.78) 48.55,49.75 Y2.4 ; v1(105,37.34) IC4.15 ; 74.46,67.18 75.04,67.75 v2(75.04,67.81) 74.97,67.81 75.61,67.18 ; 68.51,48.52 v1(68.11,48.13) ; R9.2 v1(28.73,90.17) ; IC1.65 86.65,55.1 ; C2.1 71.2,64.72 v1(70.78,65.14) 70.78,66.54 70.4,66.92 R3.1 ; IC4.19 v1(104.9,42.42) ; J3.12 28.44,80.97
  Top w0.75: v3(24.01,23.56) 24.51,24.07 C17.2 24.51,29.13 22.72,30.93 IC2.2
  Bottom w0.25: FB3.1 38.02,56.72 v1(39.07,55.68) 39.47,56.08 C42.1 ; C43.1 44.2,55.83 v1(44.15,55.78) ; v1(105,50.04) 104.6,49.63 C35.1 ; v1(51.77,55.68) 51.36,56.08 C44.1 ; C34.1 104.85,42.47 v1(104.9,42.42) ; C33.1 104.6,37.74 v1(105,37.34) 103.96,36.29 FB2.1
  vias: v1(71.53,41.69) v1(88.69,52.1) v1(114.79,80.28)
+5V: length 149.5
  Top w1: v4(14.31,31.69) C15.1 19.31,32.1 19.47,32.25 21.47,32.25 ; v4(14.31,31.69) 14.31,27.05 R5.1 ; v4(14.31,31.69) 14.31,31.69 J1.4 ; C26.1 16.8,85.43 FB1.1 8.74,80.47 7.26,78.99 v4(7.26,77.09) 7.26,74.92 9.7,72.48 R11.2 ; D10.1 v4(43.97,13.74) ; 19.7,80.86 19.2,81.36 19.2,84.98
  In2.Cu w1: 17.78,31.69 19.82,33.72 19.82,37.19 S2.1 ; 17.78,31.69 20.32,29.15 20.32,24.38 30.96,13.74 v4(43.97,13.74) ; 17.78,31.69 v4(14.31,31.69) ; v4(7.26,77.09) 4.06,73.89 4.06,48.77 7.62,45.21 7.62,33.02 8.95,31.69 J1.4
/OLED Socket/+12V: length 51.6
  Top w0.25: 31.14,77.47 30.64,77.97 J3.2 ; 31.14,77.47 31.14,78.74 ; 31.14,77.47 31.14,76.96 30.63,76.45 28.17,76.45 ; 20.98,83.47 20.98,90.26 20.47,90.76 C27.1 ; 20.98,83.47 21.49,83.98 23.87,83.98 25.3,82.55 25.3,75.95 25.79,75.46 27.13,75.46 C20.1 ; 20.98,83.47 20.98,82.88 ; D1.1 17.42,79.59 17.93,79.08 20.47,79.08 20.98,79.59 IC3.7 20.98,82.62 ; J3.6 30.71,79.17 31.14,78.74 ; 31.14,78.74 31.14,79.25 ; J3.8 30.62,79.77 31.14,79.25 ; 31.14,79.25 31.71,79.81 31.71,85.1 31.28,85.53 31.28,86.13 31.82,86.67 J3.31
/Power Supply/5VSB: length 17.1
  In2.Cu w1: J1.5 11.91,38.05 15.89,42.03 19.9,42.03 21.4,40.52 S2.2
/SWD Pad/VCC: length 9.9
  Top w1: D12.1 39.86,19.92 40.92,20.98 40.92,23.27 ; 39.78,17.04 39.78,13.83
GND: length 146.8
  Top w0.25: v1(82.34,63.75) 82.49,63.59 C6.1 ; C9.1 80.53,44.22 C3.2 ; C24.1 22,72.5 ; 22,72.5 v1(22,72.39) ; 22,72.5 21.31,72.5 C23.1 ; IC4.11 93.84,41.15 ; R8.1 v1(28.73,93.73) ; C16.1 v1(17.4,28.52) ; v1(105,41.15) IC4.18 ; v1(46.61,52.71) 46.38,52.93 C45.2 46.69,53.49 IC5.21 ; IC1.16 68.34,52.6 C13.1 67.62,52.5 C14.1 66.64,52.9 v1(66.59,52.95) ; C15.2 17.91,28.65 ; C38.2 35.9,62.56 35.88,62.53 ; 33.05,73.71 v1(33.05,73.28) ; 33.05,73.71 C18.1 ; 33.05,73.71 C19.1 ; 87.27,52.06 87.23,52.1 C12.2 85.26,52.1 ; 21.34,29.79 19.94,29.79 19.68,30.05 ; 104.44,34.15 104.47,34.18 C30.2 ; C20.2 v1(26.51,77.47) C22.1 26.06,78.94 26.06,79.76 ; C7.1 66.97,58.79 v1(66.97,59.3) ; v1(87.67,49.4) 87.14,49.92 C11.1 ; 26.06,79.76 29.11,79.76 29.72,80.37 J3.10 ; 26.06,79.76 26.82,80.52 ; IC5.11 42.88,66.84 ; C10.1 87.22,55.44 v1(86.78,55.87) ; C50.1 v1(52.56,33.03) ; X1.3 X1.1 ; Q1.2 32.45,32.51 v1(32.52,32.58) ; C49.2 61.51,19.11 v1(61.58,19.19) ; v2(47.52,23.27) 45.62,23.27 44.73,24.16 ; IC1.78 82.52,63.04 ; Y1.2 108.83,49.82 v1(108.81,49.83) ; v1(34.32,80.65) 34.29,80.67 J3.11 ; C4.2 86.17,62.84 v1(86.15,62.86) ; R10.1 v1(25.3,95) ; S1.1 v1(63.41,47.36) ; v1(57.51,59.64) 57.31,59.44 C41.2 54.31,62.03 IC5.2 54.31,65.87 ; v1(47.96,55.68) IC5.22 ; R36.1 v1(94.95,58.17) ; 94.81,52.58 IC4.2 98.65,52.58 101.24,55.17 101.24,55.58 v1(101.04,55.78) ; 98.15,34.15 98.12,34.18 C29.2 ; IC7.4 99.67,58.95 C51.2 99.34,58.09 C52.1 99.77,56.9 ; C48.2 v1(52.75,27.44) ; 63.16,60.54 v1(63.42,60.8) ; v1(69,64.13) 69.02,64.15 C2.2 69.56,63.44 C5.1 70.15,61.28 71.03,60.39 71.03,59.82 70.82,59.6 IC1.2 ; 66.56,50 63.03,46.47 ; IC2.6 v1(28.58,29.66) ; C27.2 11.37,90.76 v1(11.33,90.81) ; C17.1 v1(26.8,25.21) ; v1(11.33,85.47) 11.37,85.43 C26.2 ; IC4.21 107.19,44.96 C36.2 107.63,44.65 v1(107.83,44.85) ; 80.52,45.22 IC1.44 ; S4.E2 S4.E3 64.1,27.8 IC6.15 ; C8.1 67.72,49.14 v1(67.47,48.89) ; Y2.2 51.55,51.85 v1(51.56,51.87) ; 35.88,56.24 35.9,56.21 C39.2 ; 68.54,49.1 IC1.23 ; 68.66,57.1 IC1.7 ; v1(105,46.23) IC4.22 ; v1(42.88,55.68) IC5.18
  Top w1: 16.46,19.69 12.5,19.69
  In1.Cu w1: 16.46,19.69 12.5,19.69
  In2.Cu w1: 16.46,19.69 12.5,19.69
  Bottom w0.25: C43.2 44.2,61.72 v1(42.88,63.04) ; v1(97.64,41.15) 98.96,42.47 C34.2 ; v1(105,46.23) 104.6,46.63 C35.2 ; 41.41,61.73 v1(40.74,61.06) ; C42.2 42.47,56.08 v1(42.88,55.68) ; v1(105,41.15) 104.6,40.74 C33.2 ; 98.95,39.68 v1(99.62,39.01) ; v1(47.96,55.68) 48.36,56.08 C44.2
  Bottom w1: 16.46,19.69 12.5,19.69
  vias: v1(35.78,62.56) v1(35.78,56.21) v1(81.95,42.67) v1(87.27,52.1) v1(98.12,34.05) v1(99.77,56.95) v1(104.47,34.05) v2(2.03,33.53) v2(2.03,21.59) v2(9.52,78.23) v2(16.64,83.06) v2(16.76,72.52) v2(18.03,62.1) v2(18.03,60.2) v2(18.99,64.67) v2(18.92,57.53) v2(20.19,61.21) v2(24.2,53.75) v2(25.02,86.11) v2(26.8,59.56) v2(29.59,59.56) v2(40.89,58.8) v2(45.85,57.28) v2(50.61,37.37) v2(52.45,59.31) v2(58.67,64.26) v2(64.64,64.26) v2(67.56,37.34) v2(68.45,41.66) v2(70.36,36.07) v2(72.64,16) v2(74.04,56.9) v2(76.45,63.63) v2(77.48,12.15) v2(80.69,12.15) v2(84.84,43.56) v2(88.27,45.97) v2(88.52,32.26) v2(88.52,22.73) v2(88.52,13.84) v2(88.52,5.46) v2(90.68,39.37) v2(92.39,47.78) v2(95.95,17.3) v2(98.55,16.51) v2(100.58,16.51) v2(101.09,50.04) v2(101.98,14.48) v2(107,22.38) v2(107.82,11.68) v2(112.43,80.26) v2(112.43,75.44) v2(119.51,84.2) v2(119.51,78.23) v2(119.51,71.5)
